# KiCad board MES Main Board.kicad_pcb
title: MES Main Board; date: 2025-02-03; rev: 1.0; company: Robotics
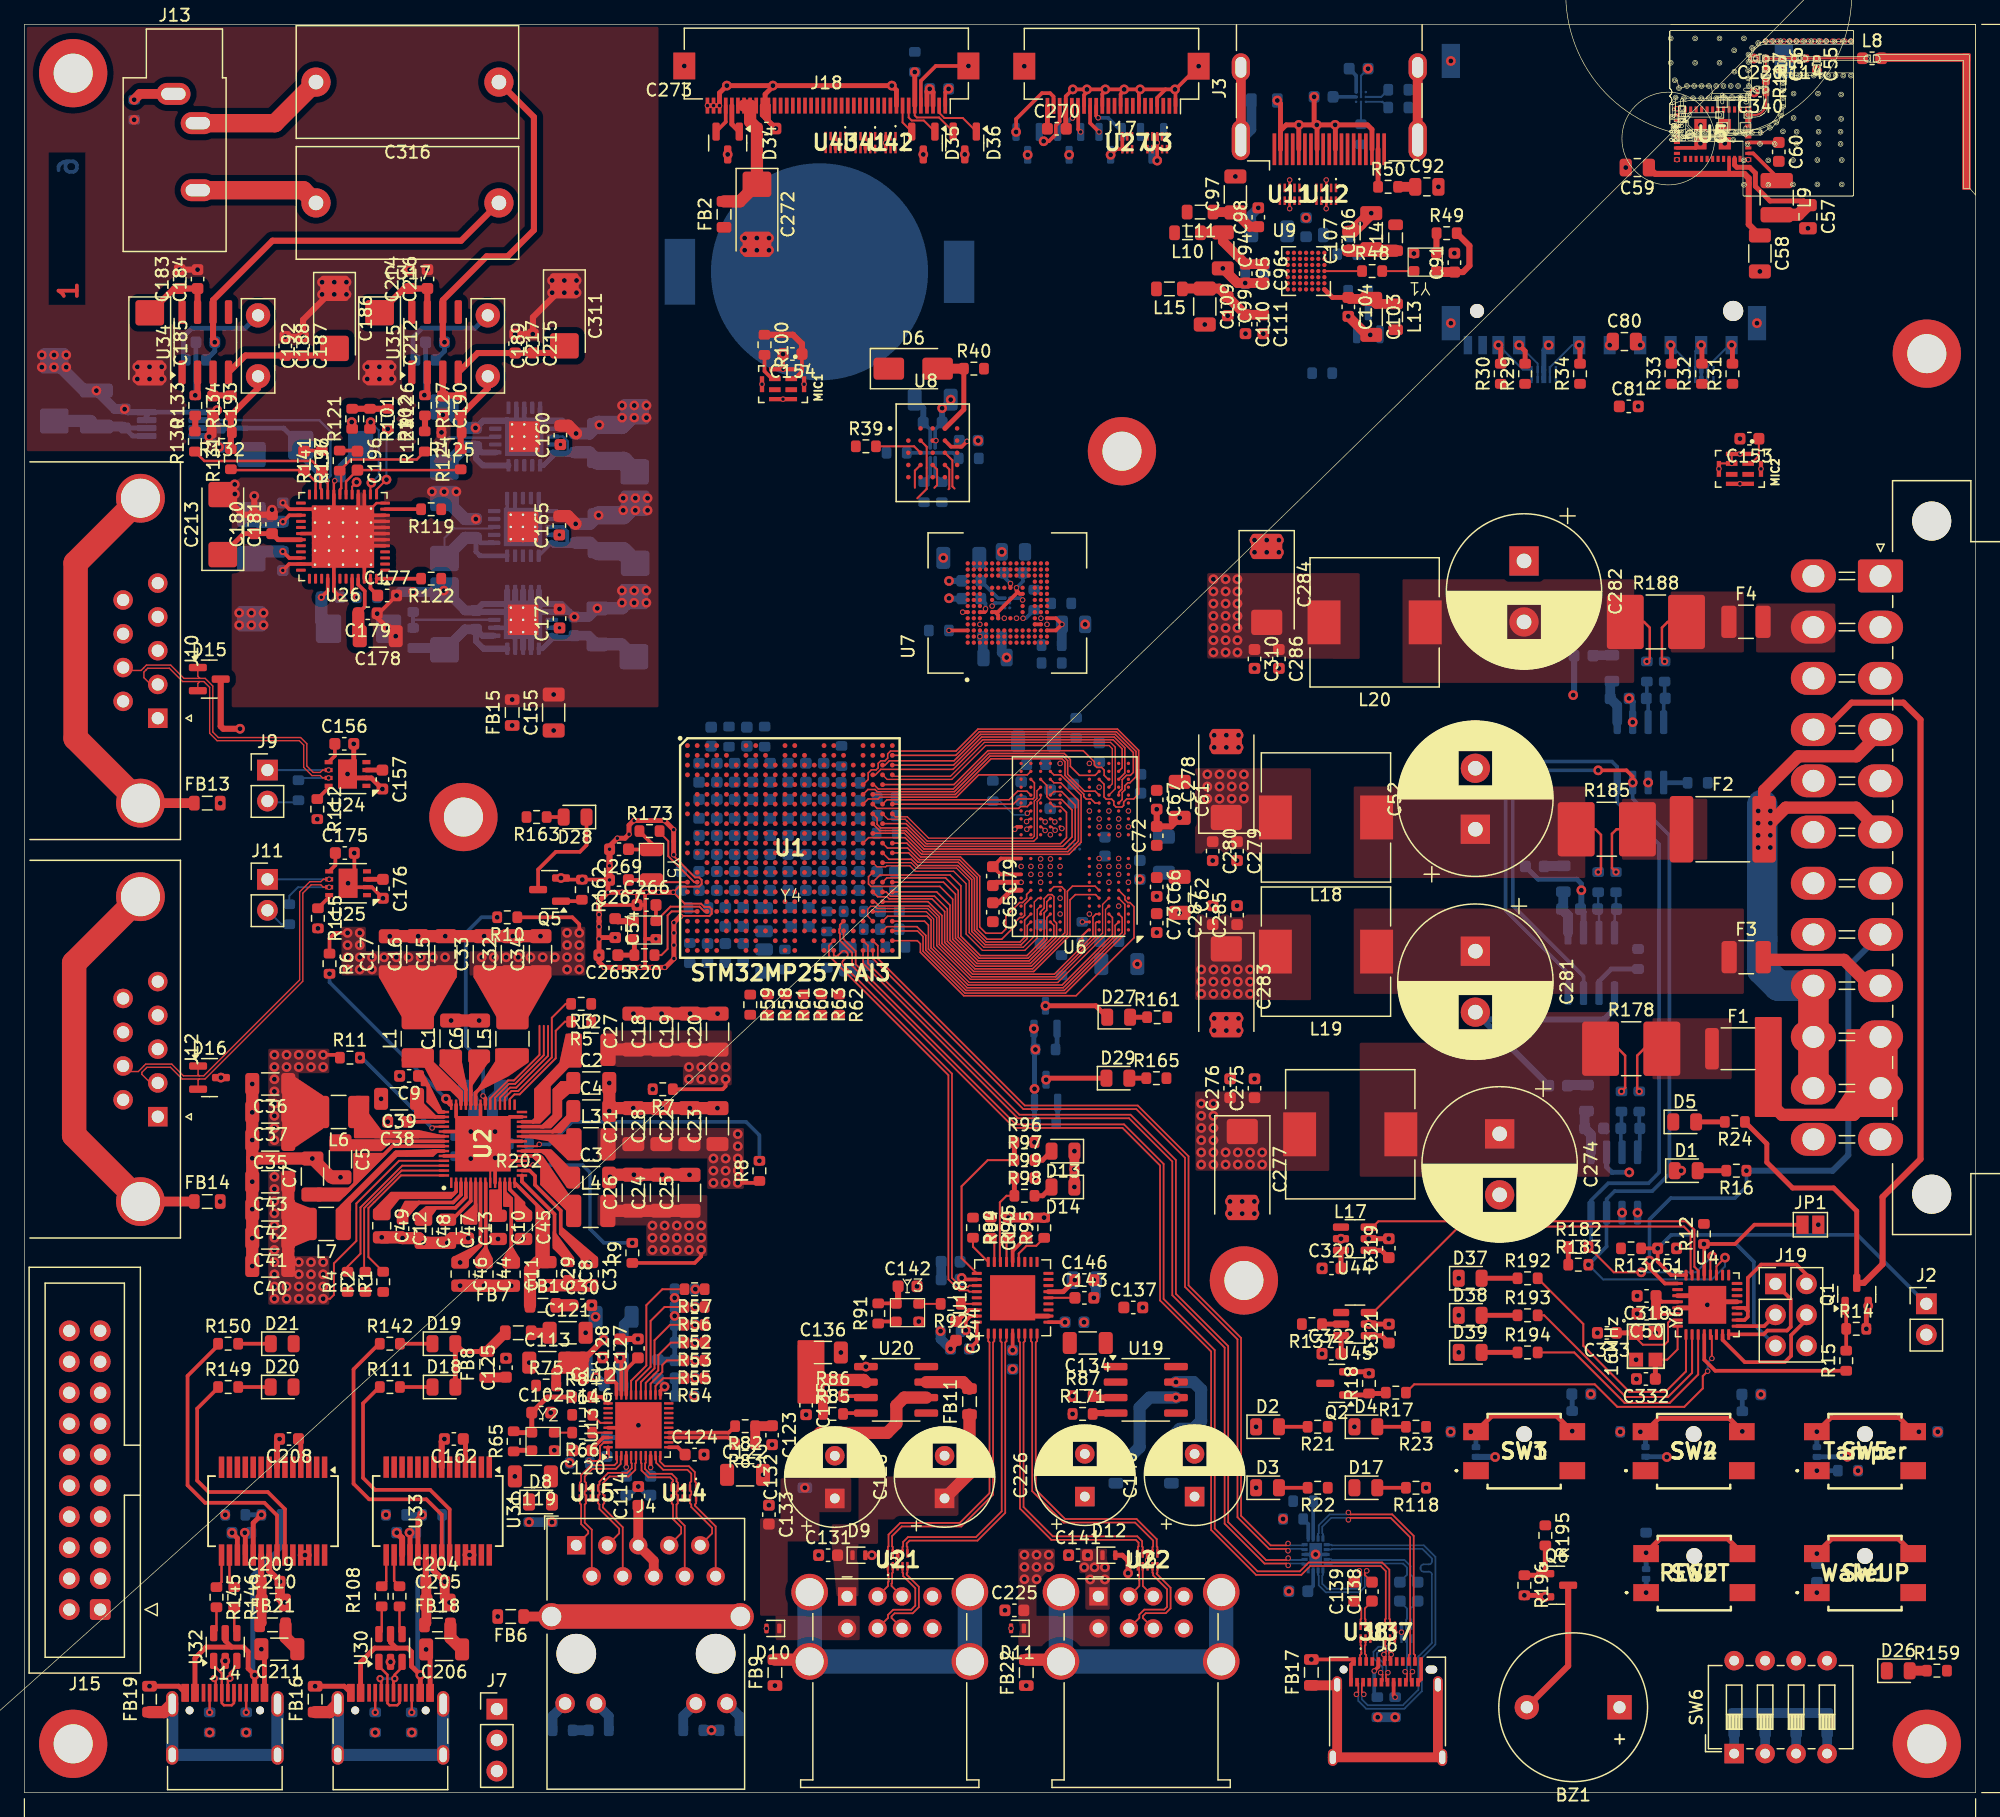
[diagram p0: board, top side]
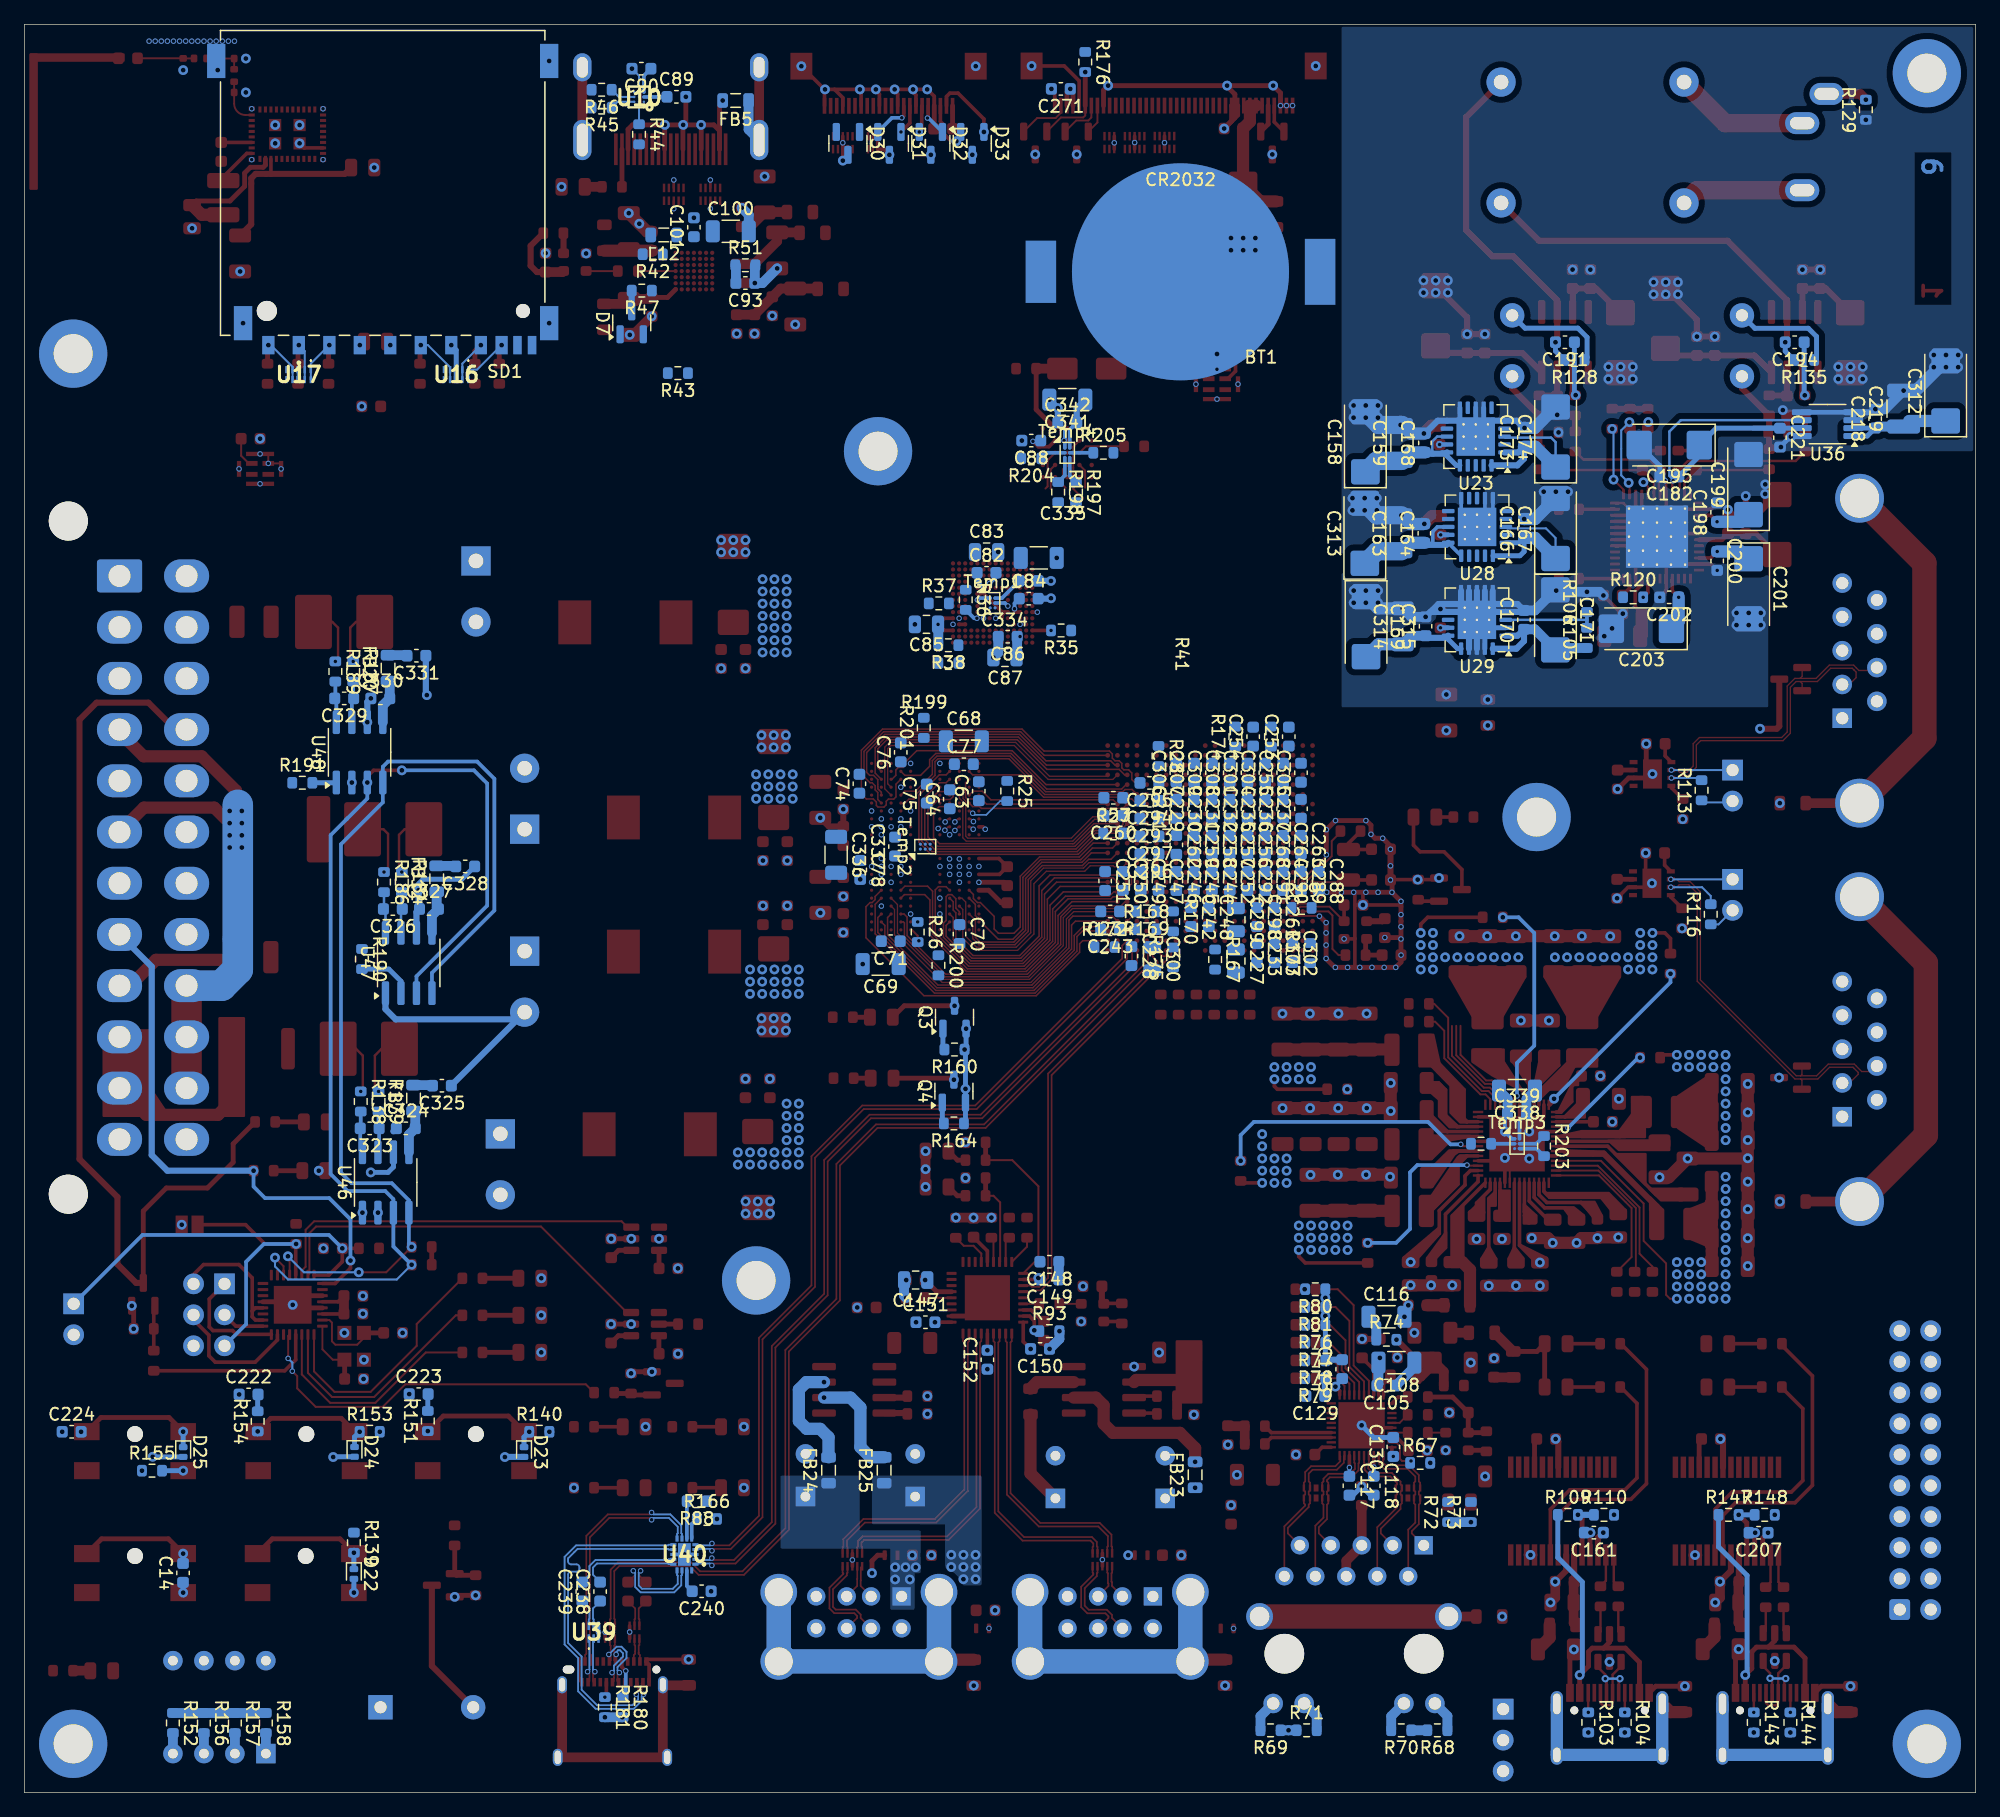
[diagram p1: board, bottom side, seen from below]

Outline 160 x 145 mm; copper layers: Top, In1.Cu (plane), In2.Cu, In3.Cu (plane), In4.Cu (plane), Bottom. Coordinates in mm from the lower left corner of the outline.
Outline path: rectangle 0,145 160,0
Stack: Top 0.035mm / dielectric 0.0994mm FR4 er 4.1 / In1.Cu 0.0152mm / dielectric 0.55mm FR4 er 4.6 / In2.Cu 0.0152mm / dielectric 0.1088mm FR4 er 4.16 / In3.Cu 0.0152mm / dielectric 0.55mm FR4 er 4.6 / In4.Cu 0.0152mm / dielectric 0.0994mm FR4 er 4.1 / Bottom 0.035mm

## Placement (name value [footprint] x y rotation side)
   -  [MountingHole_3.2mm_M3_DIN965_Pad_TopBottom]  156 4 0 top
 #2  -  [MountingHole_3.2mm_M3_DIN965_Pad_TopBottom]  156 118 0 top
 #3  -  [MountingHole_3.2mm_M3_DIN965_Pad_TopBottom]  100 42 0 top
 #4  -  [MountingHole_3.2mm_M3_DIN965_Pad_TopBottom]  90 110 0 top
 #5  -  [MountingHole_3.2mm_M3_DIN965_Pad_TopBottom]  4 4 0 top
 #6  -  [MountingHole_3.2mm_M3_DIN965_Pad_TopBottom]  4 141 0 top
 #7  -  [MountingHole_3.2mm_M3_DIN965_Pad_TopBottom]  36 80 0 top
AE1  P2ML4452-1-A.DXF  [LBEE5KL1YN_ANT]  151.87 142.28 0 top
BT1  CR2032  [BAT-HLD-001]  65.2 124.71 0 bottom
BZ1  Buzzer  [Buzzer_12x9.5RM7.6]  130.8 7 180 top
C1  10uF  [C_1206_3216Metric]  34.99 61.84 90 top
C2  10uF  [C_1206_3216Metric]  46.48 58.19 0 top
C3  10uF  [C_1206_3216Metric]  46.47 50.43 0 top
C4  10uF  [C_1206_3216Metric]  46.48 55.89 0 top
C5  10uF  [C_1206_3216Metric]  25.92 51.93 270 top
C6  10uF  [C_1206_3216Metric]  37.29 61.84 90 top
C7  10uF  [C_1206_3216Metric]  23.62 50.52 90 top
C8  1uF  [C_0603_1608Metric]  44.62 42.77 270 top
C9  1uF  [C_0603_1608Metric]  31.54 58.77 180 top
C10  4.7uF  [C_0805_2012Metric]  38.84 46.35 270 top
C11  4.7uF  [C_0805_2012Metric]  39.92 42.51 270 top
C12  1uF  [C_0603_1608Metric]  31.01 46.25 270 top
C13  1uF  [C_0603_1608Metric]  36.39 46.25 270 top
C14  0.1uF  [C_0603_1608Metric]  146.99 18.02 90 bottom
C15  22uF  [C_1206_3216Metric]  34.56 68.76 90 top
C16  22uF  [C_1206_3216Metric]  32.26 68.76 90 top
C17  22uF  [C_1206_3216Metric]  29.96 68.75 90 top
C18  22uF  [C_1206_3216Metric]  52.24 62.41 90 top
C19  22uF  [C_1206_3216Metric]  54.54 62.41 90 top
C20  22uF  [C_1206_3216Metric]  56.84 62.41 90 top
C21  22uF  [C_1206_3216Metric]  49.93 54.66 90 top
C22  22uF  [C_1206_3216Metric]  54.53 54.66 90 top
C23  22uF  [C_1206_3216Metric]  56.83 54.66 90 top
C24  22uF  [C_1206_3216Metric]  52.24 49.2 90 top
C25  22uF  [C_1206_3216Metric]  54.54 49.19 90 top
C26  22uF  [C_1206_3216Metric]  49.93 49.2 90 top
C27  22uF  [C_1206_3216Metric]  49.94 62.41 90 top
C28  22uF  [C_1206_3216Metric]  52.23 54.66 90 top
C29  4.7uF  [C_0805_2012Metric]  42.91 42.55 270 top
C30  0.1uF  [C_0603_1608Metric]  45.74 39.96 0 top
C31  4.7uF  [C_0805_2012Metric]  46.33 42.56 270 top
C32  22uF  [C_1206_3216Metric]  40.02 68.76 90 top
C33  22uF  [C_1206_3216Metric]  37.72 68.76 90 top
C34  22uF  [C_1206_3216Metric]  42.32 68.76 90 top
C35  22uF  [C_1206_3216Metric]  20.16 53.51 180 top
C36  22uF  [C_1206_3216Metric]  20.16 58.11 180 top
C37  22uF  [C_1206_3216Metric]  20.16 55.81 180 top
C38  1uF  [C_0603_1608Metric]  30.56 55.01 180 top
C39  10uF  [C_1206_3216Metric]  30.72 56.89 180 top
C40  22uF  [C_1206_3216Metric]  20.16 43.18 180 top
C41  22uF  [C_1206_3216Metric]  20.16 45.48 180 top
C42  22uF  [C_1206_3216Metric]  20.16 47.78 180 top
C43  22uF  [C_1206_3216Metric]  20.16 50.09 180 top
C44  4.7uF  [C_0805_2012Metric]  37.69 42.52 270 top
C45  4.7uF  [C_0805_2012Metric]  40.92 46.35 270 top
C46  4.7uF  [C_0805_2012Metric]  35.73 42.52 270 top
C47  4.7uF  [C_0805_2012Metric]  34.68 46.03 270 top
C48  4.7uF  [C_0805_2012Metric]  32.72 46.03 270 top
C49  4.7uF  [C_0805_2012Metric]  29.3 46.48 270 top
C50  0.1uF  [C_0603_1608Metric]  133.02 39.27 180 top
C51  1uF  [C_0603_1608Metric]  134.7 44.63 180 top
C52  2200uF  [CP_Radial_D12.5mm_P5.00mm]  118.98 79 90 top
C53  0.1uF  [C_0603_1608Metric]  70.7 81.58 0 bottom
C54  0.1uF  [C_0603_1608Metric]  48.44 70.89 270 top
C55  C  [C_0402_1005Metric]  146.98 141.73 270 top
C56  C  [C_0402_1005Metric]  144.15 141.73 270 top
C57  4.7uF  [C_0805_2012Metric]  146.25 129.23 270 top
C58  10uF  [C_1206_3216Metric]  142.31 126.21 270 top
C59  2.2uF  [C_0805_2012Metric]  132.26 133.26 180 top
C60  0.1uF  [C_0603_1608Metric]  143.86 134.55 270 top
C61  10uF  [C_1206_3216Metric]  94.74 81.41 270 top
C62  10uF  [C_1206_3216Metric]  94.73 73.62 270 top
C63  0.1uF  [C_0603_1608Metric]  81.74 82.12 90 bottom
C64  0.1uF  [C_0603_1608Metric]  84.12 81.46 90 bottom
C65  0.1uF  [C_0603_1608Metric]  79.41 72.2 270 top
C66  0.1uF  [C_0603_1608Metric]  92.85 74.27 270 top
C67  0.1uF  [C_0603_1608Metric]  92.85 81.42 270 top
C68  10uF  [C_1206_3216Metric]  82.97 86.21 180 bottom
C69  10uF  [C_1206_3216Metric]  89.79 67.94 0 bottom
C70  0.1uF  [C_0603_1608Metric]  83.32 70.41 270 bottom
C71  0.1uF  [C_0603_1608Metric]  88.96 69.82 0 bottom
C72  0.1uF  [C_0603_1608Metric]  92.85 78.46 90 top
C73  0.1uF  [C_0603_1608Metric]  92.85 71.31 270 top
C74  0.1uF  [C_0603_1608Metric]  91.53 82.73 90 bottom
C75  0.1uF  [C_0603_1608Metric]  86.01 81.93 90 bottom
C76  0.1uF  [C_0603_1608Metric]  88.14 85.31 90 bottom
C77  0.1uF  [C_0603_1608Metric]  82.97 84.33 180 bottom
C78  0.1uF  [C_0603_1608Metric]  91.46 75.67 270 bottom
C79  0.1uF  [C_0603_1608Metric]  79.41 75.16 270 top
C80  4.7uF  [C_0805_2012Metric]  131.2 118.99 0 top
C81  0.1uF  [C_0603_1608Metric]  131.56 113.68 0 top
C82  0.1uF  [C_0603_1608Metric]  81.1 100.03 180 bottom
C83  2.2uF  [C_0805_2012Metric]  81.1 101.74 180 bottom
C84  0.1uF  [C_0603_1608Metric]  77.65 97.91 180 bottom
C85  2.2uF  [C_0805_2012Metric]  86.03 95.8 0 bottom
C86  0.1uF  [C_0603_1608Metric]  79.37 94.79 0 bottom
C87  2.2uF  [C_0805_2012Metric]  79.59 93.08 0 bottom
C88  0.1uF  [C_0603_1608Metric]  77.44 110.87 0 bottom
C89  0.1uF  [C_0603_1608Metric]  106.53 139.06 180 bottom
C90  0.1uF  [C_0603_1608Metric]  109.41 141.37 0 bottom
C91  0.1uF  [C_0603_1608Metric]  117.26 125.47 90 top
C92  4.7uF  [C_0805_2012Metric]  115 131.68 0 top
C93  0.1uF  [C_0603_1608Metric]  100.88 123.79 0 bottom
C94  22uF  [C_1206_3216Metric]  98.27 126.46 270 top
C95  0.1uF  [C_0603_1608Metric]  100.15 124.57 270 top
C96  0.1uF  [C_0603_1608Metric]  101.61 124.57 270 top
C97  22uF  [C_1206_3216Metric]  99.3 131.06 90 top
C98  0.1uF  [C_0603_1608Metric]  101.18 129.19 90 top
C99  0.1uF  [C_0603_1608Metric]  98.67 121.89 270 top
C100  22uF  [C_1206_3216Metric]  102.07 128.03 180 bottom
C101  0.1uF  [C_0603_1608Metric]  105.1 128.37 90 bottom
C102  0.1uF  [C_0603_1608Metric]  42.38 31.16 0 top
C103  22uF  [C_1206_3216Metric]  110.44 121.01 270 top
C104  0.1uF  [C_0603_1608Metric]  108.56 121.84 270 top
C105  0.1uF  [C_0603_1608Metric]  48.31 33.38 0 bottom
C106  22uF  [C_1206_3216Metric]  110.44 128.05 90 top
C107  0.1uF  [C_0603_1608Metric]  108.56 127.23 90 top
C108  22uF  [C_1206_3216Metric]  47.49 35.26 0 bottom
C109  22uF  [C_1206_3216Metric]  96.79 121.87 270 top
C110  0.1uF  [C_0603_1608Metric]  100.13 120.42 270 top
C111  0.1uF  [C_0603_1608Metric]  101.59 120.42 270 top
C112  0.1uF  [C_0603_1608Metric]  46.64 35.68 180 top
C113  22uF  [C_1206_3216Metric]  42.87 35.26 0 top
C114  0.1uF  [C_0603_1608Metric]  50.34 24.33 90 top
C115  0.1uF  [C_0603_1608Metric]  51.94 34.73 90 bottom
C116  22uF  [C_1206_3216Metric]  48.31 39.02 180 bottom
C117  0.1uF  [C_0603_1608Metric]  51.35 25.17 270 bottom
C118  0.1uF  [C_0603_1608Metric]  49.35 25.17 270 bottom
C119  22uF  [C_1206_3216Metric]  41.7 25.93 180 top
C120  0.1uF  [C_0603_1608Metric]  45.75 28.06 180 top
C121  22uF  [C_1206_3216Metric]  44.55 37.71 0 top
C122  22uF  [C_1206_3216Metric]  59.1 26.06 0 top
C123  0.1uF  [C_0603_1608Metric]  61.31 29.31 270 top
C124  0.1uF  [C_0603_1608Metric]  54.95 27.72 0 top
C125  0.1uF  [C_0603_1608Metric]  39.49 34.85 90 top
C126  220uF  [CP_Radial_D8.0mm_P3.50mm]  75.45 24.13 90 top
C127  0.1uF  [C_0603_1608Metric]  50.31 36.43 90 top
C128  0.1uF  [C_0603_1608Metric]  48.85 36.43 90 top
C129  0.1uF  [C_0603_1608Metric]  54.14 32.52 0 bottom
C130  0.1uF  [C_0603_1608Metric]  47.75 28.35 90 bottom
C131  0.1uF  [C_0603_1608Metric]  65.91 19.47 0 top
C132  220uF  [CP_Radial_D8.0mm_P3.50mm]  66.45 24.12 90 top
C133  0.1uF  [C_0603_1608Metric]  61.05 22.8 270 top
C134  10uF  [C_1206_3216Metric]  87.19 36.87 180 top
C135  0.1uF  [C_0603_1608Metric]  64.1 31.77 270 top
C136  10uF  [C_1206_3216Metric]  65.47 36.09 0 top
C137  0.1uF  [C_0603_1608Metric]  90.93 39.78 0 top
C138  0.1uF  [C_0603_1608Metric]  110.5 16.49 90 top
C139  0.1uF  [C_0603_1608Metric]  109.04 16.49 90 top
C140  220uF  [CP_Radial_D8.0mm_P3.50mm]  95.95 24.28 90 top
C141  0.1uF  [C_0603_1608Metric]  86.4 19.47 0 top
C142  0.1uF  [C_0603_1608Metric]  72.42 41.52 0 top
C143  0.1uF  [C_0603_1608Metric]  86.92 40.57 0 top
C144  0.1uF  [C_0603_1608Metric]  76.4 37.87 270 top
C145  0.1uF  [C_0603_1608Metric]  82.16 46.32 90 top
C146  0.1uF  [C_0603_1608Metric]  86.91 42.03 0 top
C147  4.7uF  [C_0805_2012Metric]  86.91 42.03 0 bottom
C148  1uF  [C_0603_1608Metric]  75.95 43.53 0 bottom
C149  0.1uF  [C_0603_1608Metric]  75.95 42.07 0 bottom
C150  0.1uF  [C_0603_1608Metric]  76.72 36.38 0 bottom
C151  0.1uF  [C_0603_1608Metric]  86.11 38.57 180 bottom
C152  0.1uF  [C_0603_1608Metric]  81.03 35.5 90 bottom
C153  0.1uF  [C_0603_1608Metric]  141.45 111.03 180 top
C154  0.1uF  [C_0603_1608Metric]  62.98 117.97 180 top
C155  1000pF  [C_1206_3216Metric]  43.4 88.57 90 top
C156  0.1uF  [C_0603_1608Metric]  26.23 86.01 0 top
C157  0.1uF  [C_0603_1608Metric]  29.36 83.08 270 top
C158  47uF  [CP_EIA-6032-28_Kemet-C]  50.04 110.77 90 bottom
C159  10uF  [C_1206_3216Metric]  47.04 110.68 90 bottom
C160  1uF  [C_0603_1608Metric]  43.95 111.32 90 top
C161  0.1uF  [C_0603_1608Metric]  31.3 21.32 0 bottom
C162  0.1uF  [C_0603_1608Metric]  35.22 29 180 top
C163  10uF  [C_1206_3216Metric]  47.08 103.27 90 bottom
C164  0.1uF  [C_0603_1608Metric]  45.2 103.27 90 bottom
C165  1uF  [C_0603_1608Metric]  43.86 103.91 90 top
C166  0.1uF  [C_0603_1608Metric]  37.02 103.67 90 bottom
C167  47uF  [CP_EIA-6032-28_Kemet-C]  34.44 103.66 90 bottom
C168  0.1uF  [C_0603_1608Metric]  45.16 110.68 90 bottom
C169  47uF  [CP_EIA-6032-28_Kemet-C]  49.98 95.62 270 bottom
C170  0.1uF  [C_0603_1608Metric]  37.03 96.17 90 bottom
C171  47uF  [CP_EIA-6032-28_Kemet-C]  34.45 96.17 270 bottom
C172  1uF  [C_0603_1608Metric]  43.88 96.28 90 top
C173  0.1uF  [C_0603_1608Metric]  37.04 111.14 90 bottom
C174  47uF  [CP_EIA-6032-28_Kemet-C]  34.44 111.16 90 bottom
C175  0.1uF  [C_0603_1608Metric]  26.27 77.05 0 top
C176  0.1uF  [C_0603_1608Metric]  29.4 74.12 270 top
C177  1uF  [C_0603_1608Metric]  29.75 98.17 0 top
C178  10uF  [C_1206_3216Metric]  28.98 94.83 180 top
C179  0.1uF  [C_0603_1608Metric]  28.16 96.71 180 top
C180  1uF  [C_0603_1608Metric]  18.85 104.02 90 top
C181  0.1uF  [C_0603_1608Metric]  20.31 104.02 90 top
C182  0.1uF  [C_0603_1608Metric]  25.11 107.92 0 bottom
C183  1uF  [C_0603_1608Metric]  12.74 124.11 90 top
C184  0.1uF  [C_0603_1608Metric]  14.2 124.11 90 top
C185  47uF  [CP_EIA-6032-28_Kemet-C]  10.28 118.89 270 top
C186  47uF  [CP_EIA-6032-28_Kemet-C]  25.43 120.89 270 top
C187  1uF  [C_0603_1608Metric]  22.85 118.63 270 top
C188  0.1uF  [C_0603_1608Metric]  21.39 118.63 270 top
C189  3.9nF  [C_Disc_D7.5mm_W2.5mm_P5.00mm]  38 121.14 270 top
C190  470pF  [C_0603_1608Metric]  34.31 113.75 270 top
C191  470pF  [C_0603_1608Metric]  33.67 118.93 0 bottom
C192  3.9nF  [C_Disc_D7.5mm_W2.5mm_P5.00mm]  19.16 121.14 270 top
C193  470pF  [C_0603_1608Metric]  15.47 113.76 270 top
C194  470pF  [C_0603_1608Metric]  14.84 118.93 0 bottom
C195  47uF  [CP_EIA-6032-28_Kemet-C]  25.12 110.5 0 bottom
C196  10pF  [C_0603_1608Metric]  27.31 109.23 270 top
C197  10pF  [C_0603_1608Metric]  22.93 109.23 270 top
C198  0.1uF  [C_0603_1608Metric]  21.2 104.99 90 bottom
C199  47uF  [CP_EIA-6032-28_Kemet-C]  18.62 107.26 90 bottom
C200  0.1uF  [C_0603_1608Metric]  21.19 101 270 bottom
C201  47uF  [CP_EIA-6032-28_Kemet-C]  18.61 98.72 270 bottom
C202  0.1uF  [C_0603_1608Metric]  25.12 98.02 0 bottom
C203  47uF  [CP_EIA-6032-28_Kemet-C]  27.4 95.44 0 bottom
C204  0.1uF  [C_0603_1608Metric]  33.69 17.3 0 top
C205  4.7uF  [C_0805_2012Metric]  33.91 15.59 0 top
C206  10uF  [C_1206_3216Metric]  34.41 11.74 180 top
C207  0.1uF  [C_0603_1608Metric]  17.8 21.31 0 bottom
C208  0.1uF  [C_0603_1608Metric]  21.7 29 180 top
C209  0.1uF  [C_0603_1608Metric]  20.19 17.3 0 top
C210  4.7uF  [C_0805_2012Metric]  20.4 15.59 0 top
C211  10uF  [C_1206_3216Metric]  20.91 11.76 180 top
C212  47uF  [CP_EIA-6032-28_Kemet-C]  29.13 118.89 270 top
C213  47uF  [CP_EIA-6032-28_Kemet-C]  16.27 103.98 90 top
C214  1uF  [C_0603_1608Metric]  31.59 124.12 90 top
C215  1uF  [C_0603_1608Metric]  41.7 118.83 270 top
C216  0.1uF  [C_0603_1608Metric]  33.05 124.12 90 top
C217  0.1uF  [C_0603_1608Metric]  40.24 118.83 270 top
C218  0.1uF  [C_0603_1608Metric]  8.23 112.68 90 bottom
C219  10uF  [C_1210_3225Metric]  5.9 113.5 90 bottom
C220  C  [C_0402_1005Metric]  142.32 142.2 180 top
C221  0.1uF  [C_0603_1608Metric]  16.05 111.12 270 bottom
C222  0.1uF  [C_0603_1608Metric]  141.62 32.65 180 bottom
C223  0.1uF  [C_0603_1608Metric]  127.67 32.68 180 bottom
C224  0.1uF  [C_0603_1608Metric]  156.12 29.59 180 bottom
C225  0.1uF  [C_0603_1608Metric]  81.18 14.95 0 top
C226  220uF  [CP_Radial_D8.0mm_P3.50mm]  86.95 24.28 90 top
C227  2.2uF  [C_0805_2012Metric]  60.65 68.19 270 bottom
C228  1uF  [C_0603_1608Metric]  69.22 68.6 270 bottom
C229  1uF  [C_0603_1608Metric]  64.08 80.68 90 bottom
C230  1uF  [C_0603_1608Metric]  62.62 80.68 90 bottom
C231  1uF  [C_0603_1608Metric]  61.16 80.68 90 bottom
C232  1uF  [C_0603_1608Metric]  59.7 80.68 90 bottom
C233  0.1uF  [C_0603_1608Metric]  58.94 68.85 270 bottom
C234  1uF  [C_0603_1608Metric]  70.97 72.26 0 bottom
C235  1uF  [C_0603_1608Metric]  58.24 80.68 90 bottom
C236  1uF  [C_0603_1608Metric]  56.78 80.68 90 bottom
C237  1uF  [C_0603_1608Metric]  55.32 80.68 90 bottom
C238  0.1uF  [C_0603_1608Metric]  112.79 16.49 90 bottom
C239  0.1uF  [C_0603_1608Metric]  114.25 16.49 90 bottom
C240  0.1uF  [C_0603_1608Metric]  104.47 16.51 0 bottom
C241  1uF  [C_0603_1608Metric]  65.54 80.68 90 bottom
C242  0.1uF  [C_0603_1608Metric]  64.34 71.8 270 bottom
C243  1uF  [C_0603_1608Metric]  70.97 70.8 0 bottom
C244  1uF  [C_0603_1608Metric]  62.62 74.76 270 bottom
C245  1uF  [C_0603_1608Metric]  64.08 74.76 270 bottom
C246  1uF  [C_0603_1608Metric]  65.54 74.76 270 bottom
C247  1uF  [C_0603_1608Metric]  67 74.76 270 bottom
C248  0.1uF  [C_0603_1608Metric]  62.88 71.8 270 bottom
C249  1uF  [C_0603_1608Metric]  68.46 74.76 270 bottom
C250  1uF  [C_0603_1608Metric]  69.92 74.76 270 bottom
C251  1uF  [C_0603_1608Metric]  71.38 74.76 270 bottom
C252  1uF  [C_0603_1608Metric]  61.16 74.76 270 bottom
C253  0.1uF  [C_0603_1608Metric]  56.32 86.6 90 bottom
C254  0.1uF  [C_0603_1608Metric]  59.24 86.6 90 bottom
C255  0.1uF  [C_0603_1608Metric]  56.78 83.64 90 bottom
C256  1uF  [C_0603_1608Metric]  59.7 77.72 270 bottom
C257  1uF  [C_0603_1608Metric]  61.16 77.72 270 bottom
C258  1uF  [C_0603_1608Metric]  62.62 77.72 270 bottom
C259  1uF  [C_0603_1608Metric]  64.08 77.72 270 bottom
C260  0.1uF  [C_0603_1608Metric]  70.7 80.12 0 bottom
C261  0.1uF  [C_0603_1608Metric]  57.48 71.81 270 bottom
C262  1uF  [C_0603_1608Metric]  65.54 77.72 270 bottom
C263  1uF  [C_0603_1608Metric]  55.32 77.72 270 bottom
C264  1uF  [C_0603_1608Metric]  56.78 77.72 270 bottom
C265  6.8pF  [C_0603_1608Metric]  47.89 68.68 180 top
C266  6.8pF  [C_0603_1608Metric]  51.01 72.79 0 top
C267  6.8pF  [C_0603_1608Metric]  48.75 74.84 180 top
C268  1uF  [C_0603_1608Metric]  58.24 77.72 270 bottom
C269  6.8pF  [C_0603_1608Metric]  48.76 77.36 180 top
C270  1uF  [C_0603_1608Metric]  84.66 136.44 0 top
C271  0.1uF  [C_0603_1608Metric]  75.01 139.71 0 bottom
C272  47uF  [CP_EIA-6032-28_Kemet-C]  60.07 129.43 270 top
C273  0.1uF  [C_0603_1608Metric]  60.84 136.46 0 top
C274  2200uF  [CP_Radial_D12.5mm_P5.00mm]  120.97 54.02 270 top
C275  1uF  [C_0603_1608Metric]  100.87 57.76 90 top
C276  0.1uF  [C_0603_1608Metric]  98.87 57.76 90 top
C277  100uF  [CP_EIA-7343-30_AVX-N]  99.87 51.1 270 top
C278  100uF  [CP_EIA-7343-30_AVX-N]  98.56 83.08 90 top
C279  1uF  [C_0603_1608Metric]  99.44 77.21 270 top
C280  0.1uF  [C_0603_1608Metric]  97.44 77.21 270 top
C281  2200uF  [CP_Radial_D12.5mm_P5.00mm]  118.98 69 270 top
C282  2200uF  [CP_Radial_D12.5mm_P5.00mm]  122.97 101 270 top
C283  100uF  [CP_EIA-7343-30_AVX-N]  98.56 66.08 270 top
C284  100uF  [CP_EIA-7343-30_AVX-N]  101.87 99.08 270 top
C285  1uF  [C_0603_1608Metric]  99.44 71.96 90 top
C286  1uF  [C_0603_1608Metric]  102.87 92.97 270 top
C287  0.1uF  [C_0603_1608Metric]  97.44 71.96 90 top
C288  1uF  [C_0603_1608Metric]  53.86 74.76 270 bottom
C289  1uF  [C_0603_1608Metric]  55.32 74.76 270 bottom
C290  1uF  [C_0603_1608Metric]  56.78 74.76 270 bottom
C291  1uF  [C_0603_1608Metric]  58.24 74.76 270 bottom
C292  1uF  [C_0603_1608Metric]  59.7 74.76 270 bottom
C293  1uF  [C_0603_1608Metric]  67.74 79.88 0 bottom
C294  1uF  [C_0603_1608Metric]  67.74 81.34 0 bottom
C295  1uF  [C_0603_1608Metric]  67.74 82.8 0 bottom
C296  1uF  [C_0603_1608Metric]  67.75 76.96 0 bottom
C297  1uF  [C_0603_1608Metric]  67.75 78.42 0 bottom
C298  0.1uF  [C_0603_1608Metric]  58.94 71.81 270 bottom
C299  4.7uF  [C_0805_2012Metric]  60.65 71.58 270 bottom
C300  4.7uF  [C_0805_2012Metric]  67.51 68.37 270 bottom
C301  0.1uF  [C_0603_1608Metric]  59.7 83.64 90 bottom